# Altium PCB SIM7020-Mini封装.PcbDoc
Units mil, origin at the board's own origin, x right, y up, seen from the top; angles counter-clockwise.
Board outline 6000 x 4000 mil, 2 copper layers (Top Layer, Bottom Layer); 3 components, 0 nets, 18 pads, 0 vias.
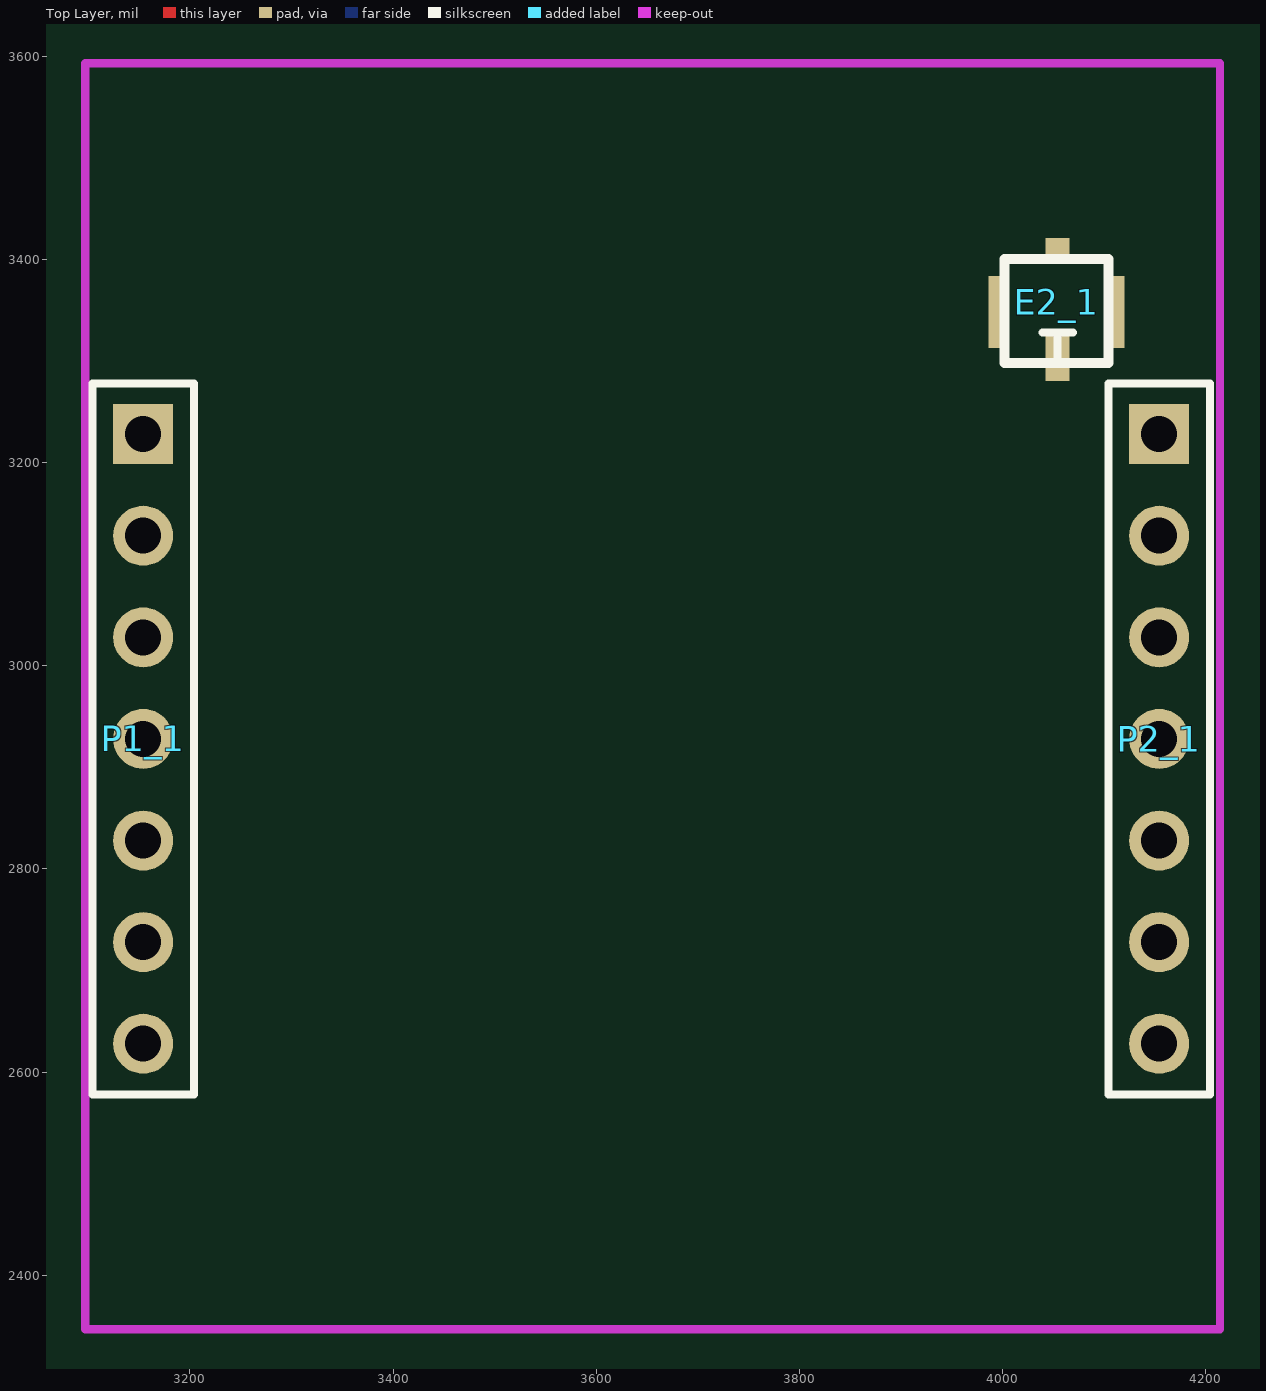
[diagram p0: Top Layer view]
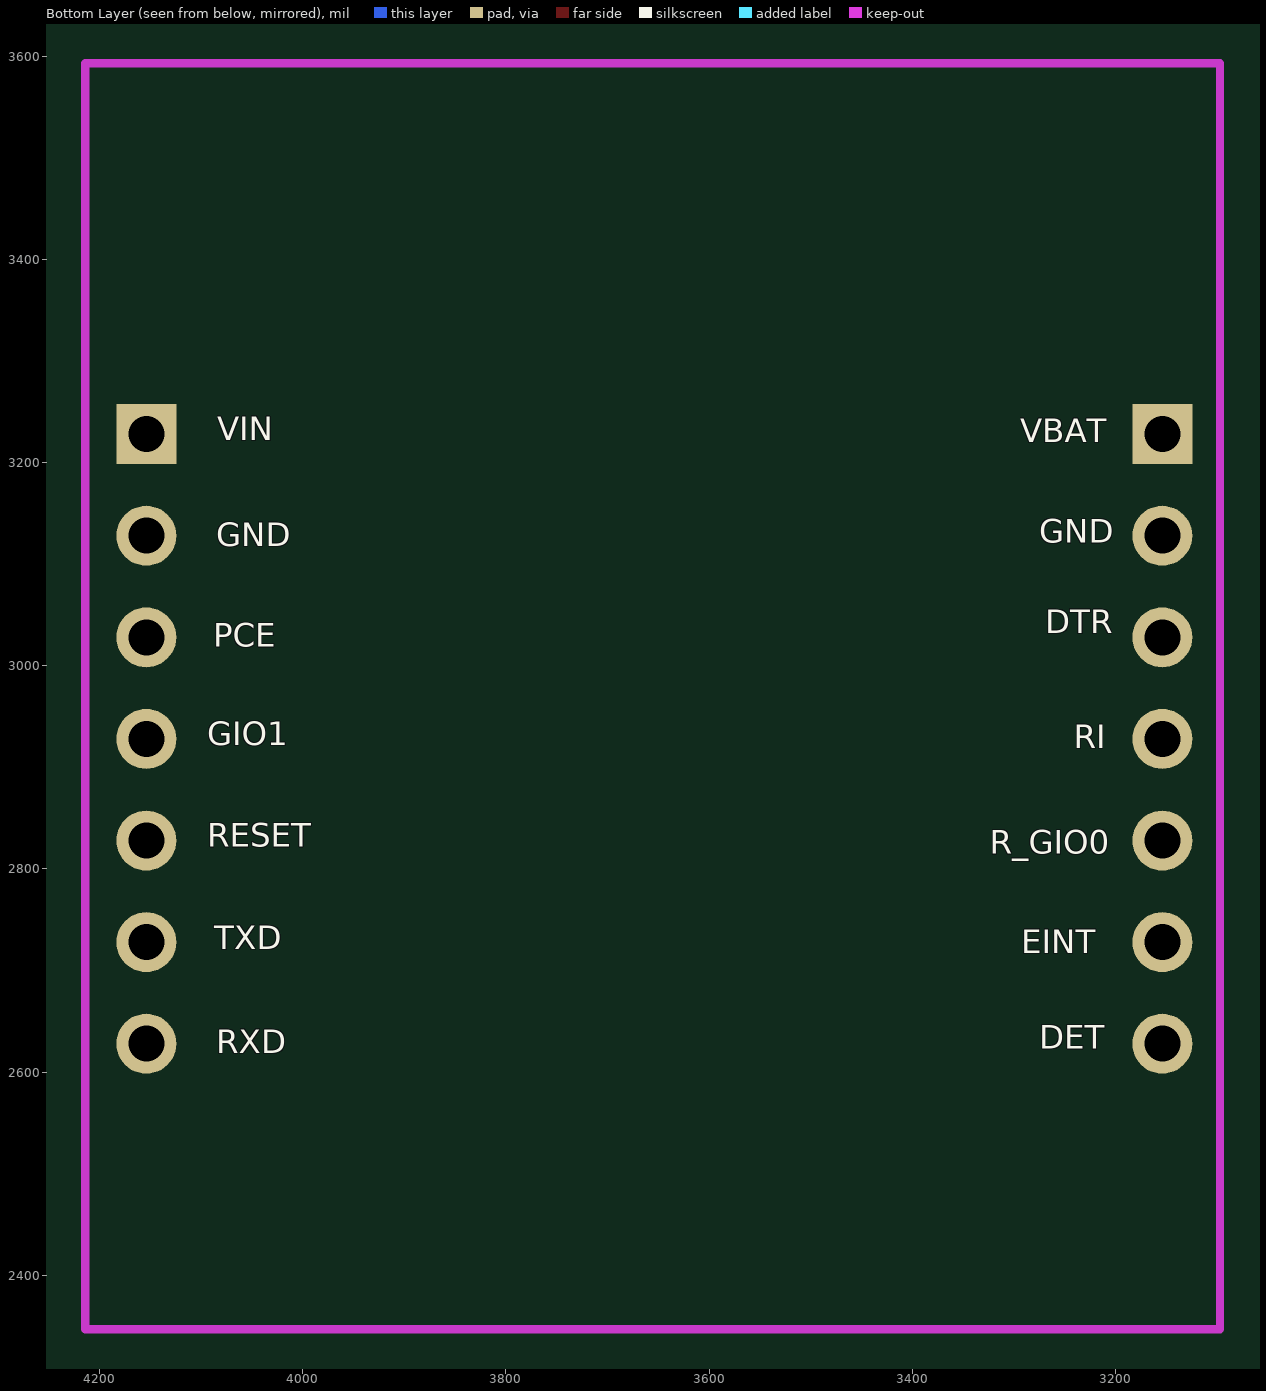
[diagram p1: Bottom Layer view, seen from below]

## Layer stack, top to bottom
Top Layer: signal copper 1.4
Dielectric: dielectric 12.6, FR-4, Dk 4.8
Bottom Layer: signal copper 1.4

## Board outline
1000,1000 7000,1000 7000,5000 1000,5000

## Design rules (kind name [scope] priority, off if disabled: settings)
Clearance [All] p1: gap=10
PolygonConnect [All] p1: connectstyle=Relief reliefconductorwidth=10 reliefentries=4 polygonreliefangle="90 Angle" airgapwidth=10
RoutingVias [All] p1: holewidth=28 width=50 viastyle="Through Hole" minholewidth=28 minwidth=50 maxholewidth=28 maxwidth=50
SolderMaskExpansion [All] p1: expansion=4
Width [All] p1: maxlimit=10 minlimit=10 preferedwidth=10
28 further rules are at their usual default settings.

## Components (designator, comment, footprint, x,y, rotation, side; value= is the part's Value field where it differs from the comment)
E2_1 "Antenna" IPX座子 4056,3345 r90 top (schematic designator E1)
P1_1 "Header 7" HDR1X7 3154,3228 r270 top (schematic designator P1)
P2_1 "Header 7" HDR1X7 4154,3228 r270 top (schematic designator P2)

## Footprints (in the part's own frame and the unit in brackets; to place one, negate y for a bottom-side part, rotate by r counter-clockwise, add the part's x,y. Pads: shape width x height; smd on the part's side, far side on the other; paste and mask are expansions set on the pad)
HDR1X7 [mm] "Connector; Header; 7 Position"
  rect 1.5x1.5 hole 0.9: 1(0,0)
  round 1.5 hole 0.9: 2(2.54,0) 3(5.08,0) 4(7.62,0) 5(10.16,0) 6(12.7,0) 7(15.24,0)
  silkscreen extent -1.27,-1.27 16.51,1.27
IPX座子 [mil]
  rect 47.24x23.62 smd: 1(-41,2)
  rect 70.87x15.75 smd: 2(3,62) 3(3,-56)
  rect 15.75x23.62 smd: 4(68,2)
  silkscreen extent -47,-48 55,54

## Part data
E2_1: "Generic Antenna"
P1_1 P2_1: "Header, 7-Pin"

## Nets (pads, with @x,y where several pads share a name; then routed paths per layer and width w, separated by ;. In a path a pad name is that pad's centre, name@x,y a point inside that pad or via, vN(x,y) a via of type N, cw(c..) or ccw(c..) an arc to the next point about the centre after c; other vN are vias at no path point)
pads on no net: E2_1.1 E2_1.2 E2_1.3 E2_1.4 P1_1.1 P1_1.2 P1_1.3 P1_1.4 P1_1.5 P1_1.6 P1_1.7 P2_1.1 P2_1.2 P2_1.3 P2_1.4 P2_1.5 P2_1.6 P2_1.7

## Keep-outs
Keep-Out Layer:
  lines w8: 3097,2347 4214,2347 4214,3593 3097,3593 3097,2347

## Silkscreen, mask and mechanical layers (free items; w line width, h text height)
Bottom Overlay:
  text "VIN" at 4084,3214 h40
  text "VBAT" at 3294,3212 h40
  text "GND" at 3275,3113 h40
  text "GND" at 4085,3110 h40
  text "DTR" at 3269,3024 h40
  text "PCE" at 4088,3011 h40
  text "GIO1" at 4094,2914 h40
  text "RI" at 3241,2911 h40
  text "RESET" at 4094,2814 h40
  text "R_GIO0" at 3324,2807 h40
  text "TXD" at 4087,2713 h40
  text "EINT" at 3293,2709 h40
  text "DET" at 3275,2615 h40
  text "RXD" at 4085,2611 h40